# Altium PCB MC21R01.PcbDoc (part 3 of 5) (continued)
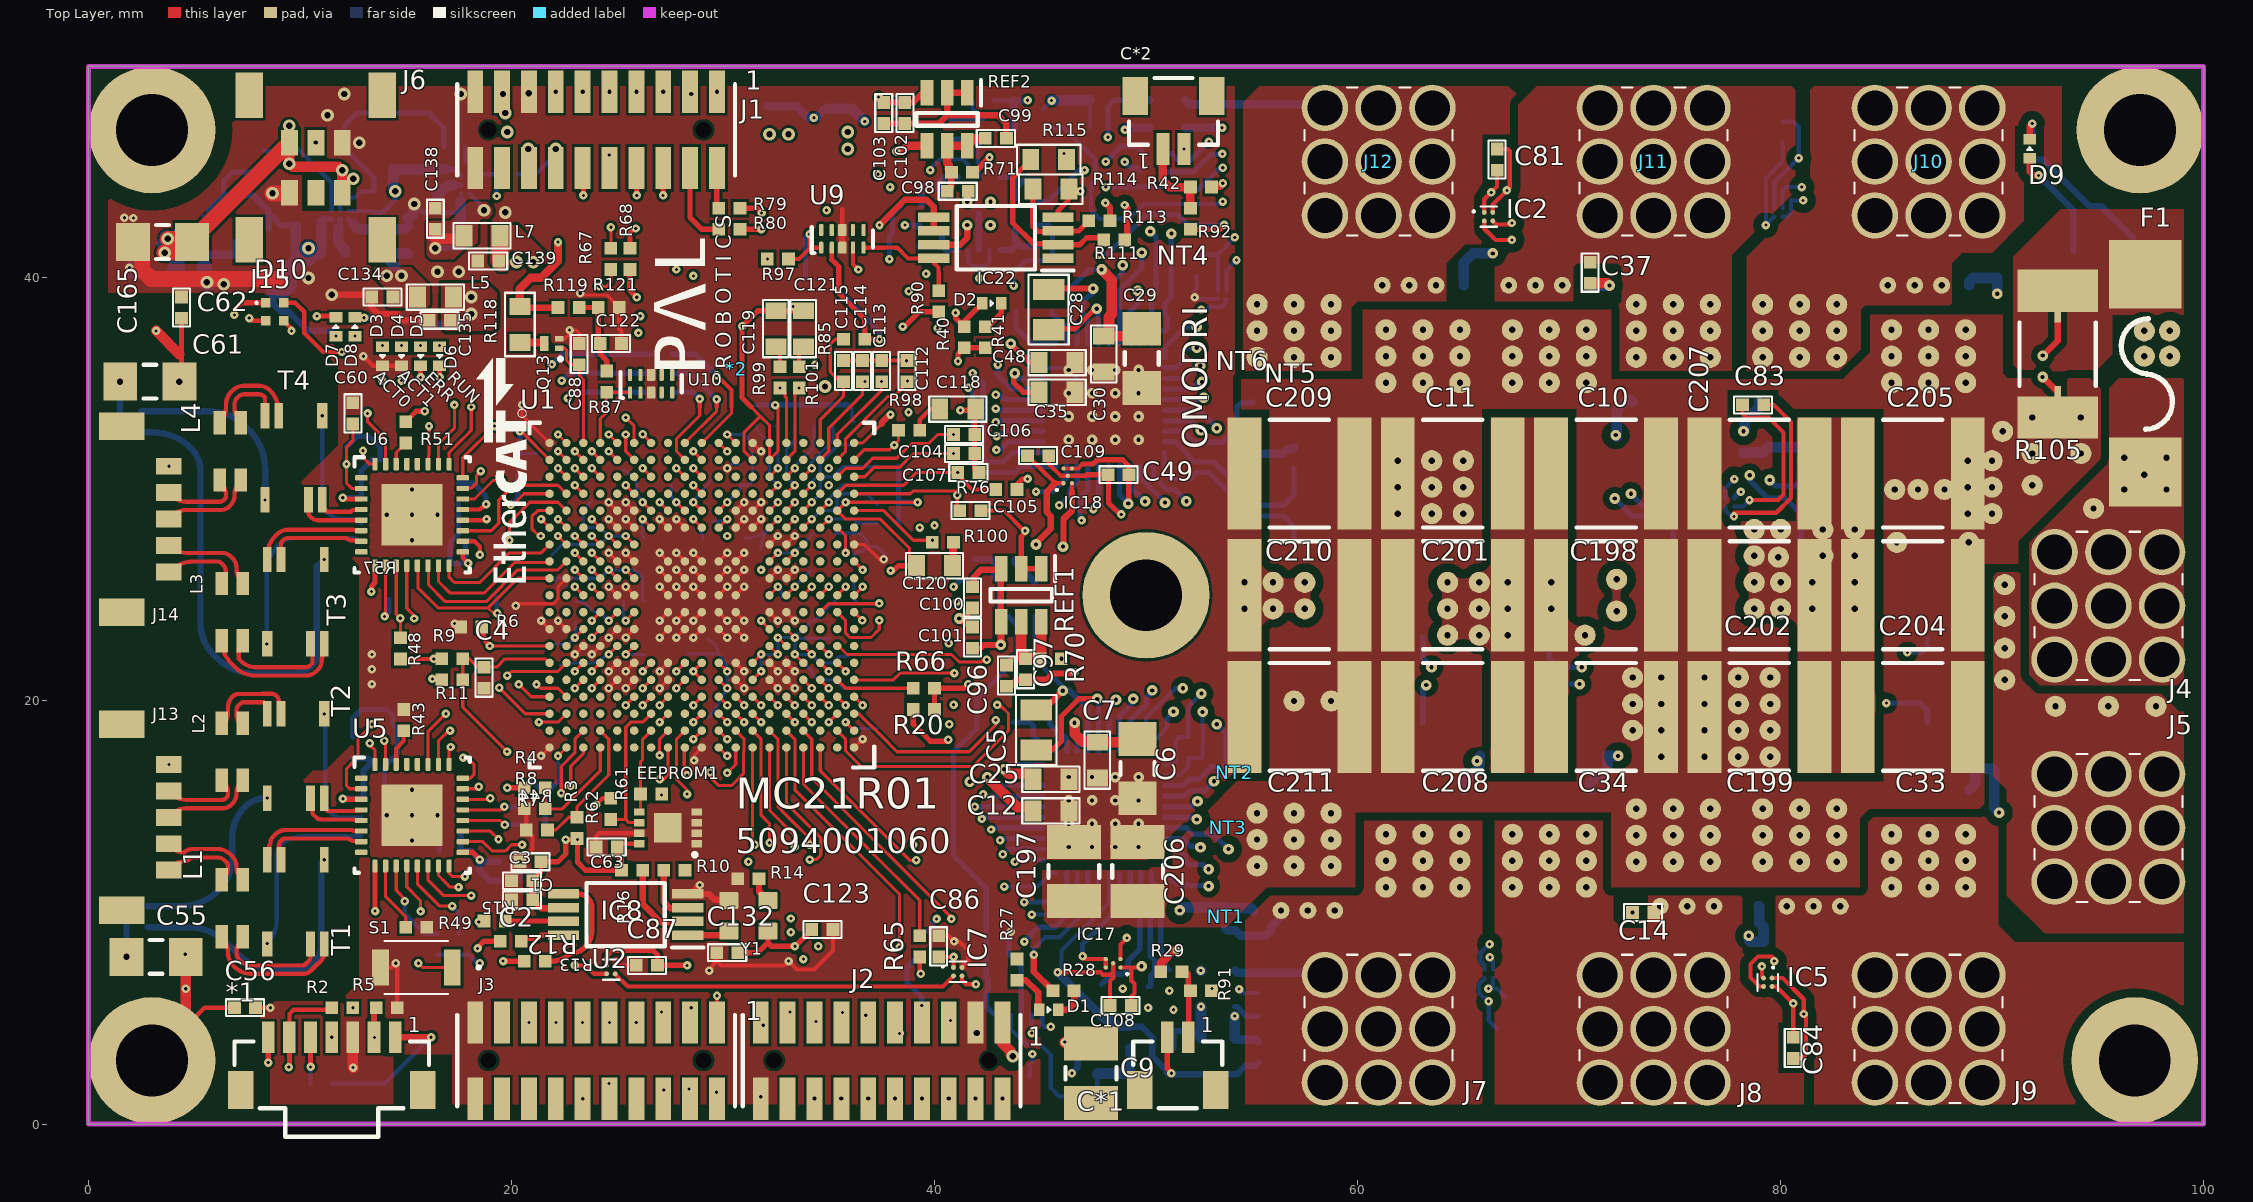
[diagram p0: Top Layer view]
## Nets (pads, with @x,y where several pads share a name; then routed paths per layer and width w, separated by ;. In a path a pad name is that pad's centre, name@x,y a point inside that pad or via, vN(x,y) a via of type N, cw(c..) or ccw(c..) an arc to the next point about the centre after c; other vN are vias at no path point) (continued)
ECAT0_TXEN_GPIO156: U1.D12 U5.23 | length 12.8
  Top Layer w0.15: U5.23@17.7,15.85 18.352,15.85 v1(18.45,15.948) ; v1(27,19.8) U1.D12@27.4,20.2
  Layer 4 w0.15: v1(18.45,15.948) 19.048,15.948 20.922,17.822 24.564,17.822 25.092,18.35 26.996,18.35 27.5,18.854 27.5,19.3 v1(27,19.8)
ECAT1_INT_GPIO128: R58.2 U1.W9 U6.21 | length 22.1
  Top Layer w0.15: U1.W9@29.8,32.2 v1(30.201,31.799)
  Top Layer w0.2: U6.21@17.7,29.05 18.494,29.05 18.594,29.15 18.65,29.15 v1(18.8,29.3)
  Layer 2 w0.15: v1(18.8,29.3) 18.8,29.676 18.091,30.386 18.091,32.791 18.733,33.433 20.382,33.433 20.5,33.314 20.808,33.007 25.228,33.007 25.234,33 25.566,33 25.572,33.007 25.64,33.007 26.033,33.4 30.03,33.4 30.6,32.83 30.6,32.199 v1(30.201,31.799)
  Bottom Layer w0.25: R58.2@17.5,30.3 18.2,30.3 18.8,29.7 v1(18.8,29.3)
ECAT1_LINK_GPIO144: R60.2 U1.F17 | length 20.7
  Top Layer w0.15: v1(23,21.4) U1.F17@23.4,21.8
  Top Layer w0.25: v1@14.798,35.152 v1(14.8,35.15)
  Layer 4 w0.15: v1(14.8,35.15) 14.6,34.95 14.6,32.336 17.56,29.376 17.56,27.824 16.95,27.214 16.95,25.45 20.323,22.077 20.323,21.588 20.325,21.586 20.325,21.564 20.5,21.389 20.689,21.2 22.8,21.2 v1(23,21.4)
  Bottom Layer w0.25: v1(14.8,35.15) R60.2@14.8,35.8
ECAT1_PHYLINK_GPIO68: U1.C18 U6.31 | length 22.8
  Top Layer w0.15: v1(13.2,33.6) 13.2,33.2 14.05,32.35 14.05,32.05 U6.31@14.05,31.2 ; v1(21.3,19) 22.2,19 U1.C18@22.6,19.4
  Layer 4 w0.15: v1(13.2,33.6) 13.2,32.8 13.6,32.4 13.6,31.6 13.5,31.5 13.5,27.1 16,24.6 16,23.3 20.3,19 20.5,19 v1(21.3,19)
ECAT1_RXCLK_GPIO137: U1.T18 U6.19 | length 6.6
  Top Layer w0.15: U6.19@17.7,28.05 19.05,28.05 19.4,28.4 19.4,29.5 20.1,30.2 20.5,30.2 22.2,30.2 U1.T18@22.6,29.8
ECAT1_RXD0_GPIO139: U1.N19 U6.16 | length 6.1
  Top Layer w0.15: U6.16@17.05,26.4 17.05,25.85 17.3,25.6 18.5,25.6 19.9,27 20.5,27 21.4,27 U1.N19@21.8,27.4
ECAT1_RXD1_GPIO140: U1.M19 U6.15 | length 6.8
  Top Layer w0.15: U6.15@16.55,26.4 16.55,25.65 17.1,25.1 18.7,25.1 20.15,26.55 20.5,26.55 20.612,26.55 21.75,26.55 U1.M19@21.8,26.6
ECAT1_RXD2_GPIO141: U1.M18 U6.14 | length 8.6
  Top Layer w0.15: U6.14@16.05,26.4 16.075,26.375 16.075,25.984 16.075,25.489 16.864,24.7 18.8,24.7 20.3,26.2 20.5,26.2 22.2,26.2 U1.M18@22.6,26.6
ECAT1_RXD3_GPIO142: R54.1 U1.L19 U6.13 | length 9.5
  Top Layer w0.125: 18.9,24.4 19.141,24.159 v1(19.324,24.159)
  Top Layer w0.15: U6.13@15.55,26.4 15.575,26.375 15.575,25.352 16.527,24.4 18.9,24.4 20.3,25.8 U1.L19@21.8,25.8
  Bottom Layer w0.2: R54.1@19.3,24.9 19.3,24.183 v1(19.324,24.159)
ECAT1_RXDV_GPIO136: U1.T17 U6.18 | length 8.1
  Top Layer w0.15: v1(23,30.2) U1.T17@23.4,29.8
  Top Layer w0.2: U6.18@17.7,27.55 18.25,27.55 18.509,27.291 v1(18.509,26.912)
  Layer 3 w0.15: v1(18.509,26.912) 18.509,27.509 19.7,28.7 20.4,28.7 20.5,28.8 21.9,30.2 v1(23,30.2)
ECAT1_RXER_GPIO138: R52.2 U1.T19 U6.20 | length 6.2
  Top Layer w0.15: v1(19.968,29.278) 20.014,29.232 20.5,29.718 20.582,29.8 U1.T19@21.8,29.8
  Top Layer w0.2: U6.20@17.7,28.55 18.772,28.55 v1(18.822,28.6)
  Layer 3 w0.15: v1(18.822,28.6) 18.9,28.6 19.578,29.278 v1(19.968,29.278)
  Bottom Layer w0.25: v1(19.968,29.278) 20.3,29.61 R52.2@20.3,30.7
ECAT1_TXCLK_GPIO130: U1.U10 U6.22 | length 12.1
  Top Layer w0.15: U6.22@17.7,29.55 18.25,29.55 19.125,30.425 v1(19.525,30.425) ; v1(28.6,31) U1.U10@29,30.6
  Layer 2 w0.15: v1(19.525,30.425) 19.7,30.6 28.2,30.6 v1(28.6,31)
ECAT1_TXD0_GPIO131: U1.V10 U6.24 | length 13.9
  Top Layer w0.15: U6.24@17.7,30.55 17.7,31.5 v1(19.2,33) ; v1(28.6,31.8) U1.V10@29,31.4
  Layer 2 w0.15: v1(19.2,33) 20.5,31.7 20.8,31.4 28.2,31.4 v1(28.6,31.8)
ECAT1_TXD1_GPIO132: U1.W18 U6.25 | length 9.4
  Top Layer w0.15: U6.25@17.05,31.2 17.05,31.75 17.7,32.4 17.8,32.5 18.1,32.8 v1(18.1,33.9) ; v1(22.2,32.6) U1.W18@22.6,32.2
  Layer 4 w0.15: v1(18.1,33.9) 18.1,33 18.7,32.4 19.773,32.4 20.173,32 20.5,32 21.6,32 v1(22.2,32.6)
ECAT1_TXD2_GPIO134: U1.V18 U6.26 | length 10.2
  Top Layer w0.15: U6.26@16.55,31.2 16.55,32.15 17,32.6 17.1,32.7 17.3,32.9 v1(17.3,34) ; v1(22.2,31.8) U1.V18@22.6,31.4
  Layer 4 w0.15: v1(17.3,34) 17.3,33.35 17.3,33.164 18.514,31.95 19.586,31.95 20.036,31.5 20.5,31.5 21.9,31.5 v1(22.2,31.8)
ECAT1_TXD3_GPIO135: U1.U18 U6.27 | length 9.3
  Top Layer w0.15: U6.27@16.05,31.2 16.025,31.225 16.025,31.356 16.075,31.406 16.075,31.616 16.1,31.641 v1(16.1,33) ; v1(22.2,31) U1.U18@22.6,30.6
  Layer 4 w0.15: v1(16.1,33) 17.6,31.5 19.4,31.5 19.9,31 20.375,31 20.5,31 v1(22.2,31)
ECAT1_TXEN_GPIO129: U1.T10 U6.23 | length 12.9
  Top Layer w0.15: U6.23@17.7,30.05 17.732,30.05 17.757,30.075 18.116,30.075 18.35,30.309 18.35,30.668 v1(18.549,30.867) ; v1(28.6,30.2) U1.T10@29,29.8
  Layer 2 w0.15: v1(18.549,30.867) 18.549,30.451 19.201,29.799 20.225,29.799 20.5,29.799 24.433,29.799 24.434,29.8 24.766,29.8 24.767,29.799 25.233,29.799 25.234,29.8 25.566,29.8 25.567,29.799 26.033,29.799 26.034,29.8 26.366,29.8 26.367,29.799 26.833,29.799 26.834,29.8 27.166,29.8 27.167,29.799 27.633,29.799 27.634,29.8 27.966,29.8 27.967,29.799 28.199,29.799 v1(28.6,30.2)
ECAT_EEPROM_SCL_GPIO151: EEPROM1.6 R62.1 U1.C13 | length 7.2
  Top Layer w0.15: R62.1@24.7,14.4 25.4,14.4 ; EEPROM1.6@26.05,14.25 25.67,14.25 25.55,14.25 25.4,14.4 ; U1.C13@26.6,19.4 26.2,19 25.634,19 25.4,18.766 25.4,18.6 25.4,16.9 25.4,14.4
ECAT_EEPROM_SDA_GPIO150: EEPROM1.5 R61.1 U1.B13 | length 4
  Top Layer w0.15: EEPROM1.5@26.1,14.8 26.1,15.4 26.1,16.9 26.1,17.136 26.2,17.236 26.2,18.2 U1.B13@26.6,18.6
ECAT_ERROR_GPIO145: D5.K U1.E17 | length 22
  Top Layer w0.15: v1(23,20.6) U1.E17@23.4,21
  Top Layer w0.25: v1(15.7,35.3) D5.K@15.7,35.85
  Layer 4 w0.15: v1(15.7,35.3) 15.7,35.248 15.05,34.598 15.05,32.523 18.01,29.563 18.01,27.637 17.4,27.027 17.4,25.5 19.808,23.092 20.1,22.8 20.6,22.3 20.6,21.739 cw(c20.15,21.739) 20.598,21.702 20.8,21.5 22.2,21.5 22.5,21.8 23.2,21.8 23.4,21.6 23.4,21.205 23,20.805 v1(23,20.6)
ECAT_MDC_GPIO152: U1.D13 U5.12 U6.12 | length 40.9
  Top Layer w0.15: U5.12@15.05,12.2 15.05,11.214 15.7,10.564 v1(15.7,10.054) ; U6.12@15.05,26.4 15.05,24.378 15.4,24.028 v1(15.4,23.9) ; v1(26.2,19.8) U1.D13@26.6,20.2
  Layer 3 w0.15: v1(15.4,23.9) 15.8,23.5 15.8,12.7 15.8,10.154 v1(15.7,10.054)
  Layer 4 w0.15: v1(15.7,10.054) 15.929,9.824 17.71,9.824 19.092,11.206 20.306,11.206 21.1,12 21.1,15.899 22.101,16.9 22.105,16.904 24.404,16.904 25.4,17.9 27.3,17.9 27.8,18.4 27.8,19.615 27.215,20.2 26.6,20.2 v1(26.2,19.8)
  Bottom Layer w0.2: v1@15.69,10.054 v1(15.7,10.054)
ECAT_MDIO_GPIO153: R48.1 R56.1 U1.A12 U5.11 U6.11 | length 41.8
  Top Layer w0.15: U5.11@14.55,12.2 14.55,11.05 15.008,10.592 v1(14.951,10.535) v1@15,10.486 ; U6.11@14.55,26.4 14.55,24.1 v1(14.737,23.913) 14.749,23.902 R48.1@14.749,22.989 ; v1(27,16.3) 27.2,16.3 27.4,16.5 27.4,16.9 U1.A12@27.4,17.8
  Layer 3 w0.15: v1(14.737,23.913) 14.737,23.663 15.4,23 15.4,16.9 14.825,16.325 14.825,13.203 14.825,10.661 v1(14.951,10.535)
  Layer 4 w0.15: v1(14.951,10.535) 14.951,10.049 15.468,9.532 17.81,9.532 19.21,10.931 20.42,10.931 21.426,11.937 21.426,15.806 22.196,16.576 26.724,16.576 v1(27,16.3)
  Bottom Layer w0.2: v1@15.008,10.478 v1(14.951,10.535) 14.951,9.949 15.9,9 R56.1@16.5,9
ECAT_nRST_GPIO155: U1.C12 U5.32 U6.32 | length 32.2
  Top Layer w0.15: v1(12.979,31.83) 12.979,31.521 13.3,31.2 13.4,31.2 U6.32@13.55,31.2 ; v1(13.3,18) 13.3,17.915 13.55,17.665 U5.32@13.55,17 ; v1(27,19) U1.C12@27.4,19.4
  Layer 4 w0.15: v1(12.979,31.83) 12.979,24.779 12.6,24.4 12.6,18.7 v1(13.3,18) 14.6,16.7 18.164,16.7 19.664,18.2 20.5,18.2 24.436,18.2 25.236,19 v1(27,19)
ECAT_RUN_GPIO146: D6.K U1.D18 | length 26.8
  Top Layer w0.15: v1(21.183,20.785) 21.368,20.6 22.2,20.6 U1.D18@22.6,20.2
  Top Layer w0.25: v1(16.6,35.314) D6.K@16.6,35.85
  Layer 4 w0.15: v1(16.6,35.314) 16.6,35.2 15.5,34.1 15.5,32.709 18.209,30 18.924,30 19.4,29.524 19.4,28.2 19.1,27.9 19.1,26.4 20.5,25 20.9,24.6 20.9,22.8 21.1,22.6 24,22.6 24.2,22.4 24.2,21.2 24,21 23.966,21 23.634,21 23.4,20.766 23.4,20.716 23.4,20.3 23.2,20.1 21.868,20.1 v1(21.183,20.785)
ENC1_BISS_BRIDGE_GPIO13: J2.15 U1.D1 | length 19.6
  Top Layer w0.15: U1.D1@36.2,20.2 v1(36.6,19.8)
  Top Layer w0.2: J2.15@34.303,4.741 v1(34.404,4.842)
  Layer 2 w0.15: v1(34.404,4.842) 36.3,6.738 36.3,12.6 35.5,13.4 35.5,16.7 35.5,16.9 35.5,17.5 34.603,18.397 34.603,18.832 34.6,18.834 34.6,19.166 34.603,19.168 34.603,19.632 34.6,19.634 34.6,19.7 34.6,19.966 34.833,20.199 34.834,20.2 35.166,20.2 35.167,20.199 35.633,20.199 35.634,20.2 35.966,20.2 35.967,20.199 36.201,20.199 v1(36.6,19.8)
ENC1_BISS_CLK_GPIO12: J2.13 U1.C2 | length 16.5
  Top Layer w0.15: v1(35,19) U1.C2@35.4,19.4
  Top Layer w0.2: J2.13@35.65,4.279 v1(35.65,5.266)
  Layer 2 w0.15: v1(35,19) 35,18.65 36.05,17.6 36.05,16.9 36.05,13.486 36.75,12.786 36.75,6.366 v1(35.65,5.266)
ENC1_CLK_GPIO65: J2.9 U1.K16 | length 34.3
  Top Layer w0.15: v1(23.8,25.4) U1.K16@24.2,25
  Layer 4 w0.15: v1(23.8,25.4) 24.2,25 32.9,25 33.8,24.1 33.8,22.366 33.8,22.034 33.8,20.766 33.8,20.434 33.8,19.966 33.8,19.634 33.8,19.166 33.8,18.834 33.8,17.364 34.264,16.9 35,16.164 35,8.9 v1(34.5,8.4)
  Layer 5 w0.15: v1(34.5,8.4) 34.8,8.1 36.678,8.1 37.4,7.378 37.4,5.234 v1(38.35,4.284)
ENC1_CS_GPIO66: J2.11 U1.K17 | length 34.2
  Top Layer w0.15: v1(23,25.4) U1.K17@23.4,25
  Top Layer w0.2: J2.11@36.75,5.039 v1(36.75,5.143)
  Layer 4 w0.15: v1(23,25.4) 23.7,24.7 32.5,24.7 33,24.2 33,23.966 33,23.634 33,23.166 33,22.834 33,22.366 33,19.966 33,19.166 33,17.66 33.76,16.9 34.6,16.06 34.6,9.131 34.065,8.596 34.065,8.065 v1(33.8,7.8)
  Layer 5 w0.15: v1(33.8,7.8) 36.405,7.8 36.9,7.305 36.9,5.143 v1(36.75,5.143)
ENC1_SIMO_GPIO63: J2.5 U1.J16 | length 34.5
  Top Layer w0.15: v1(23.8,23.8) U1.J16@24.2,24.2
  Layer 4 w0.15: v1(23.8,23.8) 24.2,23.4 30.034,23.4 30.378,23.4 30.6,23.178 30.6,18.3 30.813,18.087 30.813,16.9 30.813,14.549 30.15,13.886 30.15,11.414 32.498,9.065 v1(33.211,9.065)
  Layer 4 w0.2: v1@40.75,4.825 v1(40.75,4.89)
  Layer 5 w0.15: v1(33.211,9.065) 33.376,8.9 39.1,8.9 39.84,8.16 39.84,5.8 v1(40.75,4.89)
ENC1_SOMI_GPIO64: J2.7 R69.2 | length 3.1
  Bottom Layer w0.25: v1(39.4,5.6) 39.4,6 38.7,6.7 38.7,7.4 R69.2@39.4,8.1
ENC2_BISS_BRIDGE_GPIO15: J2.12 U1.D3 | length 20.3
  Top Layer w0.15: U1.D3@34.6,20.2 v1(35,19.8)
  Layer 2 w0.15: v1(35,19.8) 35.4,19.4 35.4,19.166 35.4,18.834 35.4,18.734 36.5,17.634 36.5,16.9 36.5,13.791 36.5,13.673 37.3,12.873 37.3,1.635 v2(36.865,1.2)
ENC2_BISS_CLK_GPIO14: J2.10 U1.D2 | length 20.1
  Top Layer w0.15: U1.D2@35.4,20.2 v1(35.8,19.8)
  Layer 2 w0.15: v1(35.8,19.8) 37.1,18.5 37.1,16.9 37.1,13.709 37.8,13.009 37.8,6.4 37.8,1.535 v2(38.135,1.2)
ENC2_CLK_GPIO93: J2.6 U1.B4 | length 20.7
  Top Layer w0.15: U1.B4@33.8,18.6 34.2,18.2 34.2,16.359 34.765,15.794 40.744,9.815 40.8,9.759 v1(40.8,9.7)
  Layer 2 w0.15: v2(40.675,1.2) 40.675,3.975 40.288,4.362 40.288,5.613 40.288,8.807 40.8,9.319 v1(40.8,9.7)
ENC2_CS_GPIO94: J2.8 U1.A3 | length 19
  Top Layer w0.15: U1.A3@34.6,17.8 34.6,16.7 35.086,16.214 37.7,13.6 38.2,13.1 38.847,12.453 39.137,12.453 v1(39.137,12.475)
  Layer 2 w0.15: v1(39.137,12.475) 39.137,8.237 38.942,8.042 38.942,4.858 39.405,4.395 v2(39.405,1.2)
ENC2_SIMO_GPIO91: J2.2 U1.B5 | length 21.9
  Top Layer w0.15: U1.B5@33,18.6 33.4,18.2 33.4,15.803 34.151,15.051 38.344,10.859 38.344,8.36 v1(38.35,8.36)
  Layer 4 w0.2: v1(38.35,8.36) 38.8,7.91 38.8,5.225 41.925,2.1 42.825,1.2 v2(43.215,1.2)
ENC2_SOMI_GPIO92: J2.4 R65.1 | length 8.2
  Top Layer w0.2: R65.1@39.3,7.9 39.3,7.1 v1(39.35,7.1)
  Layer 5 w0.15: v1(39.35,7.1) 39.35,6.95 38.9,6.5 38.9,4.825 39.35,4.375 39.35,3.75 41.9,1.2 v2(41.945,1.2)
ENC3_CLK_GPIO56: J1.5 U1.N16 | length 24.7
  Top Layer w0.15: v1(23.8,27.8) U1.N16@24.2,27.4
  Layer 2 w0.15: v1(26.1,38.2) 26.1,38.213 26.5,38.613 26.5,48.125 v2(27.175,48.8)
  Layer 3 w0.15: v1(23.8,27.8) 24.2,28.2 26.401,28.2 26.6,28.399 26.6,29.8 26.607,29.807 26.607,32.61 26.607,33.9 26.607,37.693 v1(26.1,38.2)
ENC3_CS_GPIO57: J1.7 U1.N18 | length 25.6
  Top Layer w0.15: v1(22.2,27.8) U1.N18@22.6,27.4
  Layer 3 w0.15: v1(22.2,27.8) 21.8,28.2 21.8,28.8 22.1,29.1 22.922,29.1 23.372,29.55 23.761,29.55 24.2,29.989 24.2,38.4 24.633,38.833 24.633,41.567 24.2,42 24.2,44.1 23.4,44.9 23.4,46.6 24.4,47.6 25.1,47.6 25.905,48.405 v2(25.905,48.8)
ENC3_SIMO_GPIO54: J1.1 U1.P18 | length 26.9
  Top Layer w0.15: v1(22.2,28.6) U1.P18@22.6,28.2
  Layer 3 w0.15: v1(22.2,28.6) 22.811,28.6 23.486,29.275 23.875,29.275 24.998,30.398 24.998,31.632 25,31.634 25,31.966 24.998,31.968 24.998,32.432 25,32.434 25,32.766 24.998,32.768 24.998,41.398 25.1,41.5 25.1,44.5 24.2,45.4 24.2,46.2 24.8,46.8 27.3,46.8 28.6,48.1 29.015,48.1 v2(29.715,48.8)
ENC3_SOMI_GPIO55: J1.3 R67.2 | length 11
  Top Layer w0.15: R67.2@24.7,41.4 v1(24.7,42.4)
  Layer 3 w0.15: v1(24.7,42.4) 24.7,44.2 23.8,45.1 23.8,46.4 24.6,47.2 27,47.2 v2(28.5,48.7)
ENC4_CLK_GPIO60: J1.13 U1.M17 | length 32
  Top Layer w0.15: v1(23,27) U1.M17@23.4,26.6
  Layer 3 w0.15: v1(23,27) 23.4,26.6 27.634,26.6 27.966,26.6 28.2,26.834 28.2,33.3 27.8,33.7 27.8,33.9 v1(27.8,40.4)
  Layer 4 w0.15: v2(22.095,48.8) 22.982,47.913 22.982,42.766 25.174,40.574 27.626,40.574 v1(27.8,40.4)
ENC4_CS_GPIO61: J1.12 U1.L16 | length 29.7
  Top Layer w0.15: v1(23.8,26.2) U1.L16@24.2,25.8
  Top Layer w0.25: v1(23.4,43.907) 23.4,44.521 23.365,44.556 J1.12@23.365,45.2 J1.12@23.4,45.165
  Layer 3 w0.15: v1(23.8,26.2) 24.2,25.8 28.434,25.8 28.766,25.8 29,26.034 29,33.414 28.2,34.214 28.2,39.9 28.4,40.1 v1(28.6,40.1)
  Layer 4 w0.15: v1(23.4,43.907) 23.4,43.013 25.413,41 28.3,41 28.6,40.7 v1(28.6,40.1)
ENC4_SIMO_GPIO58: J1.9 U1.N17 | length 24.5
  Top Layer w0.15: v1(23,27.8) U1.N17@23.4,27.4
  Layer 2 w0.15: v2(24.635,48.8) 25.3,48.135 25.3,38.1 v1(26,37.4)
  Layer 3 w0.15: v1(23,27.8) 23,28.4 23.6,29 25.6,29 25.8,29.2 25.8,37.2 v1(26,37.4)
ENC4_SOMI_GPIO59: J1.11 R68.2 | length 8.7
  Top Layer w0.25: R68.2@25.6,41.4 25.6,42.163 25.776,42.339 v1(25.875,42.339)
  Layer 4 w0.15: v2(23.365,48.8) 24,48.165 24,44.1 25.761,42.339 v1(25.875,42.339)
ENET_PHY_CLK: R10.1
EQEP1A_GPIO20: J3.4 U1.F2 | length 30.2
  Top Layer w0.15: U1.F2@35.4,21.8 v1(35.8,21.4)
  Top Layer w0.2: v1(28.4,1.65) J3.4@28.443,1.693
  Layer 2 w0.15: v1(28.4,1.65) 28.4,2.1 28.4,3.764 29.536,4.9 30.327,4.9 32.327,6.9 34.3,6.9 35.3,7.9 35.3,12.327 34.696,12.931 34.696,16.604 34.4,16.9 32.2,19.1 32.2,21.565 ; 32.2,21.566 32.434,21.8 32.766,21.8 32.768,21.802 33.232,21.802 33.234,21.8 33.566,21.8 33.568,21.802 34.032,21.802 34.034,21.8 34.366,21.8 34.368,21.802 34.832,21.802 34.834,21.8 35.166,21.8 35.168,21.802 35.398,21.802 v1(35.8,21.4)
EQEP1B_GPIO21: J3.2 U1.F3 | length 26.9
  Top Layer w0.15: U1.F3@34.6,21.8 v1(35,21.4)
  Layer 2 w0.15: v1(29.7,1.5) 29.7,1.8 29.9,2 29.9,3.892 32.547,6.539 34.488,6.539 35.75,7.801 35.75,12.514 35.146,13.118 35.146,16.654 34.9,16.9 33.001,18.799 33.001,18.834 ; 33,18.834 33,19.166 ; 33,19.634 33,19.966 ; 33,20.434 33,20.703 33,20.766 33.234,21 33.297,21 33.566,21 33.8,21 34.2,21.4 v1(35,21.4) ; 33.001,19.166 33.001,19.634 ; 33.001,19.966 33.001,20.434
EQEP1I_GPIO23: J3.6 U1.K4 | length 29.9
  Top Layer w0.15: U1.K4@33.8,25 v1(34.2,25.4)
  Layer 2 w0.15: v1(27.2,1.601) 27.976,2.377 27.976,3.976 29.248,5.248 30.15,5.248 32.7,7.798 32.7,16.9 32.7,17.3 31.4,18.6 31.4,24.3 32.034,24.934 33.734,24.934 v1(34.2,25.4)
EQEP2A_GPIO24: J1.6 U1.K3 | length 27.3
  Top Layer w0.15: U1.K3@34.6,25 v1(35,25.4)
  Top Layer w0.25: v1(27.168,43.907) 27.168,45.193 J1.6@27.175,45.2
  Layer 3 w0.15: v1(27.168,43.907) 28.293,43.907 29.4,42.8 29.4,37 30.2,36.2 30.2,33.9 29.8,33.5 29.8,26.034 30.034,25.8 34.6,25.8 v1(35,25.4)
EQEP2B_GPIO25: J1.8 U1.K2 | length 28.9
  Top Layer w0.15: U1.K2@35.4,25 v1(35.8,25.4)
  Top Layer w0.25: J1.8@25.905,45.2 25.925,45.18 v1(25.925,43.907)
  Layer 3 w0.15: v1(25.925,43.907) 26.418,44.4 28.5,44.4 29.8,43.1 29.8,37.1 30.6,36.3 30.6,31.966 ; 30.6,30.834 30.6,27.166 30.6,26.834 30.834,26.6 31.166,26.6 34.6,26.6 34.9,26.3 v1(35.8,25.4) ; 30.6,31.166 30.6,31.633 ; 30.601,30.834 30.601,31.166 ; 30.601,31.634 30.601,31.965
EQEP2I_GPIO26: J1.10 U1.K1 | length 30
  Top Layer w0.15: U1.K1@36.2,25 v1(36.6,25.4)
  Top Layer w0.25: v1(24.625,45.807) 24.625,45.238 24.649,45.214 J1.10@24.635,45.2
  Layer 3 w0.15: v1(24.625,45.807) 24.625,45.801 25.526,44.9 28.7,44.9 30.2,43.4 30.2,37.2 31,36.4 31,30 31.4,29.6 31.4,27.9 31.894,27.406 32.415,27.406 32.427,27.394 ; 32.428,27.394 32.434,27.4 32.766,27.4 32.772,27.394 33.228,27.394 33.234,27.4 33.566,27.4 33.572,27.394 34.606,27.394 v1(36.6,25.4)
ERRORSTS: U1.U19
EXT_CLK_GPIO52: J3.5 U1.P16 | length 44
  Top Layer w0.15: v1(23.8,28.6) U1.P16@24.2,28.2
  Layer 3 w0.15: v1(23.8,28.6) 23.8,28.4 23.4,28 23.4,27.6 23.2,27.4 22.8,27.4 22.5,27.1 22.5,24.7 23.4,23.8 23.4,22.834 23.634,22.6 30.7,22.6 31.5,21.8 34,21.8 34.8,21 35.2,21 36.2,20 36.2,19.6 36.5,19.3 36.5,18.672 36.194,18.365 36.194,18.011 36.5,17.705 36.5,16.9 36.5,12.627 34.873,11 32.864,11 31.95,10.086 31.95,6.886 29.764,4.7 27.7,4.7 v1(27.1,5.3)
EXT_CS_GPIO103: J3.7 U1.J1 | length 28.7
  Top Layer w0.15: U1.J1@36.2,24.2 v1(36.588,23.812)
  Layer 3 w0.15: v1(25.9,4.8) 26.45,4.25 29.95,4.25 32.4,6.7 32.4,9.9 33.05,10.55 35.059,10.55 37,12.491 37,16.9 37,23.4 v1(36.588,23.812)
EXT_SIMO_GPIO50: J3.1 U1.R18 | length 44.5
  Top Layer w0.15: v1(19.9,27.6) 19.9,28.432 20.5,29.033 20.555,29.087 20.867,29.4 22.2,29.4 U1.R18@22.6,29
  Top Layer w0.2: J3.1@29.715,4.8 J3.1@29.715,4.8 v1(29.717,6.067)
  Layer 3 w0.15: v1(19.9,27.6) 20.5,27.6 21,27.6 21.6,27 21.6,25.2 21.8,25 21.8,21.8 22.6,21 30.4,21 30.6,20.8 30.6,20.4 30.8,20.2 34.4,20.2 34.612,19.988 34.612,19.978 34.6,19.966 34.6,19.634 34.834,19.4 35.2,19.4 35.4,19.2 35.4,19.166 35.4,18.834 35.4,16.9 35.4,12.8 34.5,11.9 32.491,11.9 31.05,10.459 31.05,7.259 29.845,6.055 29.729,6.055 v1(29.717,6.067)
EXT_SOMI_GPIO51: J3.3 U1.R19 | length 42.7
  Top Layer w0.15: v1(21.388,27.8) 21.3,27.8 20.965,28.135 20.965,28.731 21.234,29 U1.R19@21.8,29
  Layer 3 w0.15: v1(21.388,27.8) 22.1,27.088 22.1,24.5 22.6,24 22.6,22 22.8,21.8 30.4,21.8 30.6,21.6 30.6,21.2 30.8,21 34.034,21 34.366,21 34.6,20.766 34.6,20.4 34.8,20.2 35.2,20.2 35.4,20 35.4,19.6 35.6,19.4 35.966,19.4 36.2,19.166 36.2,18.834 36.2,18.761 35.9,18.461 35.9,16.9 35.9,12.664 34.686,11.45 32.677,11.45 31.5,10.273 31.5,7.073 29.927,5.5 v1(28.5,5.5)
F2838x_25MHZ_CLK: R6.2 R15.1 U1.G19 | length 20.5
  Top Layer w0.15: R15.1@18.7,9.6 R15.1@18.7,9.7 ; v1(18.972,22.6) U1.G19@21.8,22.6
  Top Layer w0.25: v1(18.45,9.558) 18.598,9.558 cw(c18.7,9.456) R15.1@18.7,9.6 ; R6.2@18.6,23.5 18.6,23.498 ccw(c19.87,23.498) v1(18.972,22.6)
  Layer 2 w0.25: v1(18.972,22.6) cw(c19.035,22.537) v1@19.035,22.626
  Layer 3 w0.25: v1(18.45,9.558) 17.426,9.558 cw(c17.426,10.726) 16.6,9.9 cw(c17.357,10.657) 16.286,10.657 16.286,11.46 cw(c18.04,11.46) 16.8,12.7 ccw(c15.593,13.907) 17.3,13.907 17.3,15.351 ccw(c15.251,15.351) 16.7,16.8 cw(c17.666,17.766) 16.3,17.766 16.3,19.047 cw(c18.426,19.047) 16.923,20.551 v1(18.972,22.6)
  Bottom Layer w0.25: v1(18.45,9.558) v1@18.456,9.552
FS1_I2CA_SCL_GPIO32: J2.19 U1.U13 | length 37.4
  Top Layer w0.15: v1(26.2,31) U1.U13@26.6,30.6
  Layer 4 w0.15: v1(26.2,31) 26.2,30.454 26.6,30.053 26.6,29.566 26.6,29.234 26.6,28.766 26.6,28.434 26.6,28.4 27.6,27.4 33.9,27.4 35.4,25.9 35.4,24.5 36.2,23.7 36.2,8.4 34,6.2 32.5,6.2 31.9,5.6 v1(31.9,4.672)
FS1_I2CA_SDA_GPIO31: J2.17 U1.U11 | length 36
  Top Layer w0.15: v1(27.8,31) U1.U11@28.2,30.6
  Top Layer w0.25: J2.17@33,5.347 J2.17@33.055,5.292
  Layer 4 w0.15: v1(27.8,31) 27.8,30.5 28.2,30.1 28.2,28.6 28.2,28.434 28.434,28.2 28.766,28.2 35.2,28.2 36.2,27.2 36.2,25 37,24.2 37,23.99 36.988,23.978 36.988,23.646 37,23.634 37,17.7 36.6,17.3 36.6,8.3 33.633,5.333 33.633,5.3 v1(33.166,5.3)
FS2_I2CB_SCL_GPIO41: J2.16 U1.U17 | length 47.5
  Top Layer w0.15: v1(23,31) U1.U17@23.4,30.6
  Layer 4 w0.15: v1(23,31) 22.5,30.5 22.5,28.866 23.4,27.966 23.4,27.634 23.4,26.034 23.634,25.8 23.966,25.8 33.566,25.8 33.8,25.566 33.8,25.234 33.8,24.9 34.6,24.1 34.6,22.034 34.6,21.566 34.6,21.234 34.6,20.766 34.6,20.434 34.6,19.966 34.6,19.634 34.6,19.166 34.6,18.834 34.6,17.5 35.4,16.7 35.4,8.641 33.809,7.05 31.338,7.05 30.5,6.212 30.5,3.888 32.118,2.27 33.255,2.27 v2(34.325,1.2)
FS2_I2CB_SDA_GPIO40: J2.14 U1.V17 | length 47.6
  Top Layer w0.15: v1(23,31.8) U1.V17@23.4,31.4
  Layer 4 w0.15: v1(23,31.8) 23.4,31.4 23.4,29.764 24.2,28.964 24.2,26.834 24.434,26.6 24.633,26.6 33.666,26.6 34.6,25.666 34.6,25.234 34.6,25.1 34.9,24.8 34.9,23.9 35.4,23.4 35.4,18.834 35.4,17.4 35.8,17 35.8,8.6 35.806,8.594 33.811,6.6 32,6.6 30.95,5.55 30.95,4.55 31.7,3.8 32.995,3.8 v2(35.595,1.2)
GHA1: C13.1 Q1.4 U3.6 | length 17.4
  Layer 6 w0.5: v2(48.582,20.054) 48.65,19.986 48.65,19.689 50.75,17.589 50.75,10.95 v2(51.6,10.1)
  Bottom Layer w0.25: U3.6@48.25,17.625 48.25,18.73 48.25,19.654 48.582,19.986 v2(48.582,20.054)
  Bottom Layer w0.5: v2(51.6,10.1) 51.75,10.25 C13.1@53.75,10.25 ; C13.1@53.773,10.25 C13.1@53.75,10.25 ; Q1.4@55.075,10.092 54.968,10.2 53.8,10.2 C13.1@53.75,10.25
GHA2: C36.1 Q7.4 U4.6 | length 57
  Layer 5 w0.5: v2(48.9,40.6) 49.2,40.3 52.3,40.3 53.316,39.284 53.316,35.431 55.448,33.3 71.546,33.3 72.096,33.85 82.511,33.85 84,35.339 84,38 84.7,38.7 89.7,38.7 v2(90.25,39.25)
  Bottom Layer w0.25: U4.6@48.25,36.875 48.25,39.625 48.87,40.245 48.87,40.57 v2(48.9,40.6)
  Bottom Layer w0.5: Q7.4@88.925,39.657 88.925,39.825 89.1,40 C36.1@90.25,40 v2(90.25,39.25)
GHB1: C14.1 Q2.4 U3.15 | length 30.1
  Top Layer w0.3: C14.1@72.994,9.994 v2(73,10)
  Layer 7 w0.5: v2(52.436,15.252) 52.436,16.736 53.1,17.4 59.161,17.4 60.761,15.8 71.2,15.8 72.1,14.9 72.1,11.4 72.989,10.511 72.989,9.412
  Bottom Layer w0.25: U3.15@50.875,15 52.131,15 52.348,15.218 52.471,15.218 v2(52.436,15.252)
GHB2: C37.1 Q8.4 U4.15 | length 29.3
  Top Layer w0.5: C37.1@71,39.75 71.808,39.75 v2(71.913,39.645)
  Layer 6 w0.5: v2(52.722,34.33) 52.745,34.307 53.693,34.307 54.874,33.126 54.988,33.126 55,33.126 70.833,33.126 71.929,34.222 71.913,34.238 v2(71.913,39.645)
  Bottom Layer w0.25: U4.15@50.875,34.25 52.642,34.25 v2(52.722,34.33)
  Bottom Layer w0.5: Q8.4@70.996,39.657 71.008,39.645 v2(71.913,39.645)
GHC1: C15.1 Q3.4 U3.16 | length 36.5
  Layer 6 w0.5: v2(52.4,14.4) 53.324,14.4 54.774,15.85 59.32,15.85 60.32,14.85 71.297,14.85 72.029,14.118 72.029,11.924 72.703,11.25 78,11.25 78.562,10.688 78.562,8.628
  Bottom Layer w0.25: U3.16@50.875,14.5 52.3,14.5 v2(52.4,14.4)
  Bottom Layer w0.5: v2(78.5,8.9) 78.5,8.69 78.566,8.624 C15.1@79.194,8.624 79.194,9.306 79,9.5 79,10.273 Q3.4@78.981,10.292
GHC2: C38.1 Q9.4 U4.16 | length 23.7
  Layer 7 w0.5: v2(53.35,32.9) 53.6,32.9 54.988,34.288 55,34.3 55.7,35 59.2,35 60.3,36.1 60.3,38.1 60.8,38.6 64.1,38.6 64.8,39.3 64.8,40.4 65.56,41.16 v2(66.396,41.16)
  Bottom Layer w0.25: U4.16@50.875,33.75 52.4,33.75 52.504,33.646 52.638,33.646 53.35,32.934 v2(53.35,32.9)
  Bottom Layer w0.5: Q9.4@65.019,39.657 65.019,40.719 65.47,41.17 C38.1@66.363,41.17
GLA1: C16.1 Q4.4 U3.8 | length 23.1
  Layer 7 w0.5: v2(50.3,20.5) 50.5,20.3 50.5,19.169 51.519,18.15 59.471,18.15 61.021,16.6 65.087,16.6 v2(65.65,17.163)
  Bottom Layer w0.25: U3.8@49.25,17.625 49.25,19.066 49.659,19.475 50.025,19.841 50.025,20.157 50.3,20.432 v2(50.3,20.5)
  Bottom Layer w0.5: Q4.4@65.019,15.807 65.019,16.108 65.262,16.35 65.264,16.35 65.75,16.836 65.75,17.35 C16.1@65.8,17.4
GLA2: C39.1 Q10.4 U4.8 | length 40.6
  Layer 5 w0.5: v2(49.611,39.395) 50.332,38.675 50.332,37.638 51.7,36.27 51.7,32.519 52.96,31.26 57.06,31.26 58.3,32.5 71,32.5 71.7,31.8 72.5,31.8 73.7,33 78,33 v2(78.25,32.75)
  Bottom Layer w0.25: U4.8@49.25,36.875 49.25,38.41 49.611,38.771 v2(49.611,39.395)
  Bottom Layer w0.5: v2(78.25,32.75) 78.3,32.8 78.3,33.214 78.754,33.667 78.806,33.667 78.981,33.843 Q10.4@78.981,34.143
GLB1: C17.1 Q5.4 U3.13 | length 29
  Layer 6 w0.5: v2(53.35,18.9) 55.25,17 59.4,17 60.7,15.7 70.617,15.7 v2(72.32,17.403)
  Bottom Layer w0.25: U3.13@50.875,16 51.77,16 52.071,16.301 52.501,16.301 53.1,16.9 53.6,16.9 53.8,17.1 53.8,18.45 v2(53.35,18.9)
  Bottom Layer w0.5: Q5.4@70.996,15.807 70.996,16.108 71.271,16.382 71.532,16.382 71.8,16.65 C17.1@71.8,17.4 72.317,17.4 v2(72.32,17.403)
GLB2: C40.1 Q11.4 U4.13 | length 29.4
  Layer 6 w0.5: v2(52.566,35.85) 52.352,35.85 51.85,35.348 51.85,32.393 52.843,31.4 54.85,31.4 55,31.55 55.823,32.373 72.009,32.373 v2(72.206,32.571)
  Bottom Layer w0.25: U4.13@50.875,35.25 51.798,35.25 52.398,35.85 v2(52.566,35.85)
  Bottom Layer w0.5: v2(72.206,32.571) 72.206,32.544 C40.1@72.25,32.5 72.25,33.75 72.75,34.25 72.897,34.25 Q11.4@73.004,34.143
GLC1: C18.1 Q6.4 U3.18 | length 46.6
  Layer 5 w0.5: v2(52.577,13.075) 53.15,13.648 53.15,14.611 53.17,14.63 53.17,15.095 54.525,16.45 60.011,16.45 60.561,15.9 83.1,15.9 84.276,14.724 v2(90.336,14.724)
  Bottom Layer w0.25: U3.18@50.875,13.5 51.728,13.5 52.096,13.132 52.52,13.132 v2(52.577,13.075)
  Bottom Layer w0.5: Q6.4@88.925,15.807 89.2,16.083 89.2,16.581 89.421,16.802 89.998,16.802 C18.1@90.1,16.7 90.1,14.96 v2(90.336,14.724)
GLC2: C41.1 Q12.4 U4.18 | length 5.9
  Bottom Layer w0.25: U4.18@50.875,32.75 51.766,32.75 52.283,32.233 53.567,32.233 53.859,32.525 54.125,32.525 C41.1@54.3,32.7 54.3,33.9 54.5,34.1 55.033,34.1 Q12.4@55.075,34.143